# Altium PCB final.PcbDoc (part 1 of 2)
Units mil, origin at the board's own origin, x right, y up, seen from the top; angles counter-clockwise.
Board outline 8270 x 3385 mil, 2 copper layers (Top Layer, Bottom Layer); 240 components, 0 nets, 857 pads, 97 vias.
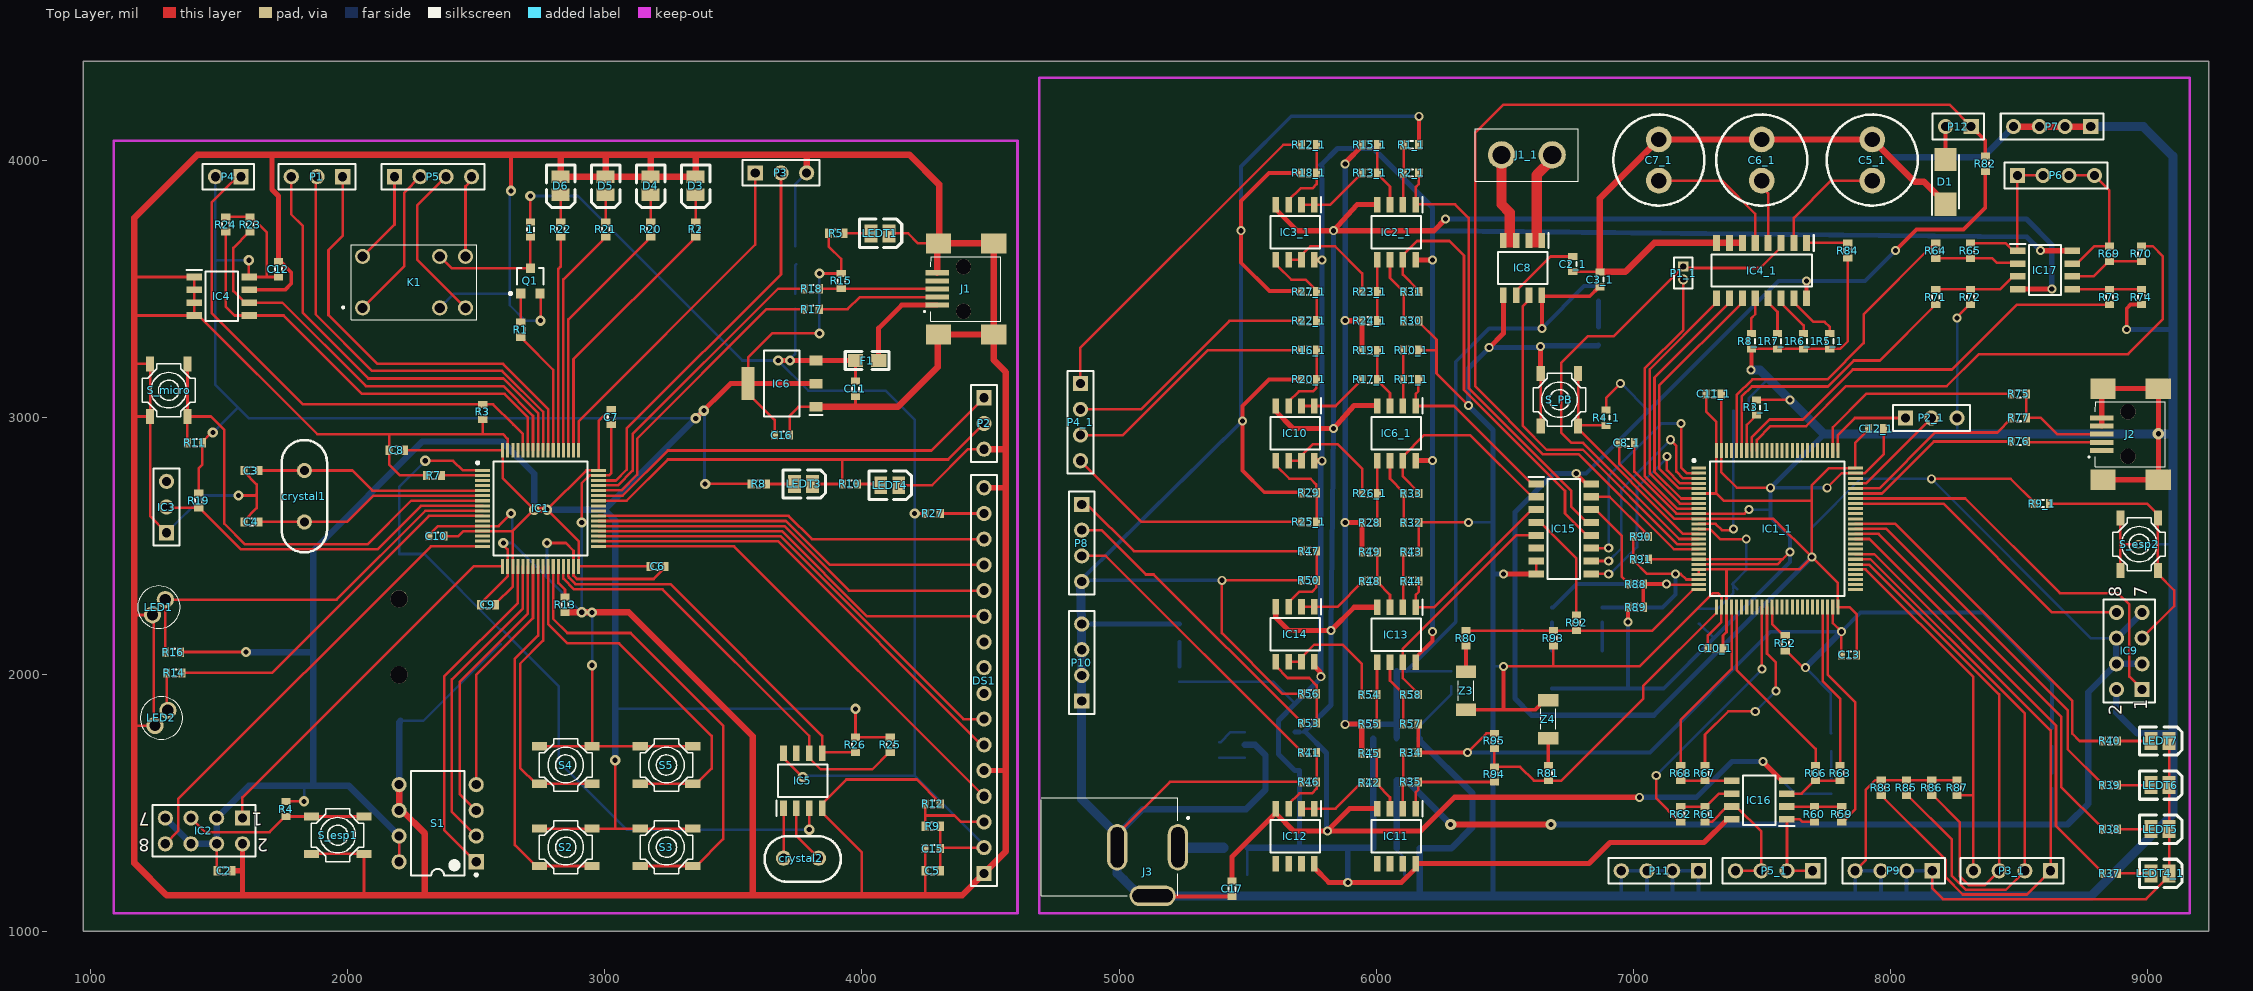
[diagram p0: Top Layer view]
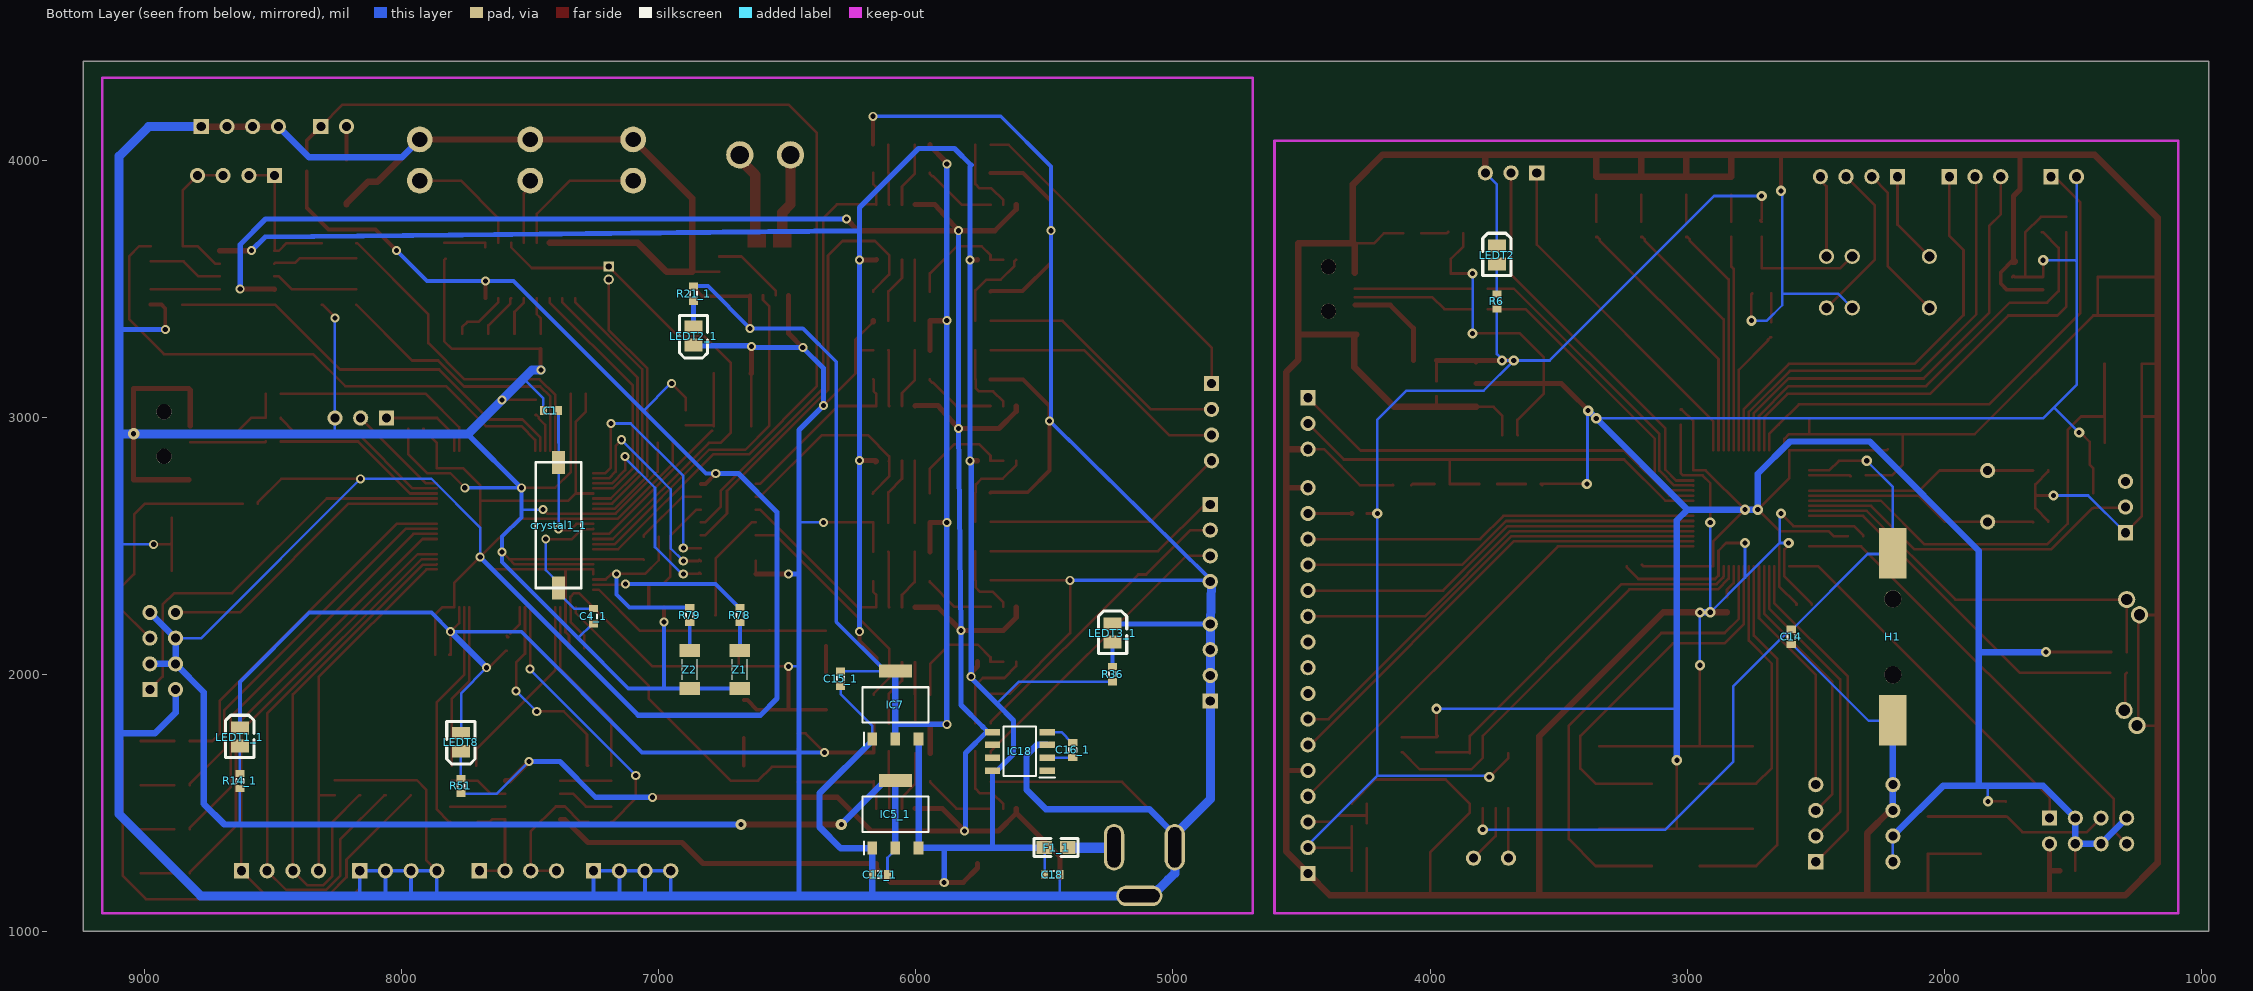
[diagram p1: Bottom Layer view, seen from below]

## Layer stack, top to bottom
Top Solder: solder mask 0.4, Solder Resist, Dk 3.5
Top Layer: signal copper 1.4
Dielectric 1: dielectric 12.6, FR-4, Dk 4.8
Bottom Layer: signal copper 1.4
Bottom Solder: solder mask 0.4, Solder Resist, Dk 3.5

## Board outline
970,1000 9240,1000 9240,4385 970,4385

## Design rules (kind name [scope] priority, off if disabled: settings)
AssemblyTestPointUsage [All] p1 off:
AssemblyTestpoint [All] p1 off: testpointundercomponent=TRUE minsize=40 maxsize=100 preferedsize=60 minholesize=0 maxholesize=40 preferedholesize=32 testpointgrid=1 usegrid=TRUE gridtolerance=0.01 allowsidetop=TRUE allowsidebottom=TRUE
Clearance [All] p1 off: gap=10 ignorepadtopadclearanceinfootprint=FALSE except(0: Arc-Hole Track-Hole SMDPad-Hole THPad-Hole Via-Hole Fill-Hole Poly-Hole Region-Hole Text-Hole)
ComponentClearance [All] p1 off: gap=10 collisioncheckmode=3 verticalgap=10 showdistances=FALSE
DiffPairsRouting [All] p1 off: maxlimit=10 minlimit=10 mostfreqgap=10 toplayer_minwidth=15 toplayer_maxwidth=15 toplayer_prefwidth=15 bottomlayer_minwidth=15 bottomlayer_maxwidth=15 bottomlayer_prefwidth=15 maxuncoupledlength=500
FabricationTestPointUsage [All] p1 off: valid=0 allowmultiple=FALSE
FabricationTestpoint [All] p1 off: side=3 testpointundercomponent=TRUE minsize=40 maxsize=100 preferedsize=60 minholesize=0 maxholesize=40 preferedholesize=32 testpointgrid=1 allowsidetop=TRUE allowsidebottom=TRUE usegrid=TRUE gridtolerance=0.01
FanoutControl Fanout_BGA [IsBGA] p1 off: bgadir=Out bgaviamode=Centered fanoutstyle=Auto fanoutdirection=Alternating viagrid=1 // Fanout_BGA (Default Rule)
FanoutControl Fanout_LCC [IsLCC] p2 off: bgadir=Out bgaviamode=Centered fanoutstyle=Auto fanoutdirection=Alternating viagrid=1 // Fanout_LCC (Default Rule)
FanoutControl Fanout_SOIC [IsSOIC] p3 off: bgadir=Out bgaviamode=Centered fanoutstyle=Auto fanoutdirection=Alternating viagrid=1 // Fanout_SOIC (Default Rule)
FanoutControl Fanout_Small [(CompPinCount < 5)] p4 off: bgadir=Out bgaviamode=Centered fanoutstyle=Auto fanoutdirection=OutThenIn viagrid=1 // Fanout_Small (Default Rule)
FanoutControl Fanout_Default [All] p5 off: bgadir=Out bgaviamode=Centered fanoutstyle=Auto fanoutdirection=Alternating viagrid=1 // Fanout_Default (Default Rule)
Height [All] p1 off: minheight=0 maxheight=1000 prefheight=500
HoleSize [All] p1 off: absolutevalues=TRUE maxlimit=100 minlimit=1 maxpercent=80.000 minpercent=20.000
HoleToHoleClearance [All] p1 off: gap=10 allowstackedmicrovias=TRUE
LayerPairs [All] p1 off: enforce=TRUE
MinimumSolderMaskSliver [All] p1 off: minsoldermaskwidth=10
NetAntennae [All] p1 off: netantennaetolerance=0
PasteMaskExpansion [All] p1 off: expansion=0
PlaneClearance [All] p1 off: clearance=20
PlaneConnect [All] p1 off: planeconnectstyle=Relief reliefexpansion=20 reliefentries=4 reliefconductorwidth=10 reliefairgap=10
PolygonConnect [All] p1 off: connectstyle=Relief reliefconductorwidth=10 reliefentries=4 polygonreliefangle="90 Angle" airgapwidth=10
RoutingCorners [All] p1 off: cornerstyle=45-Degree minsetback=100 maxsetback=100
RoutingLayers [All] p1 off: top layer_v5=TRUE bottom layer_v5=TRUE
RoutingPriority [All] p1 off: routingpriority=0
RoutingTopology [All] p1 off: topology=Shortest
RoutingVias [All] p1 off: holewidth=28 width=50 viastyle="Through Hole" minholewidth=28 minwidth=50 maxholewidth=28 maxwidth=50
ShortCircuit [All] p1 off: allowed=FALSE
SilkToSilkClearance [All] p1 off: silktosilkclearance=10
SilkToSolderMaskClearance [IsPad] p1 off: minsilkscreentomaskgap=10 clearancetoexposedcopper=TRUE
SolderMaskExpansion [All] p1 off: expansion=4
UnRoutedNet [All] p1 off:
UnpouredPolygon [All] p1 off:
Width [All] p1 off: maxlimit=10 minlimit=10 preferedwidth=10
1 further rules are at their usual default settings.

## Components (designator, comment, footprint, x,y, rotation, side; value= is the part's Value field where it differs from the comment)
1 "Res" J1-0603 2710,3730 r90 top value=150
C1 "C0603" J1-0603 7420,3025 r180 bottom value=20pF
C2 "C0603" J1-0603 1520,1235 r0 top value=0.1uF
C2_1 "Cap" J1-0603 6765,3595 r90 top value=1nF (schematic designator C2)
C3 "C0603" J1-0603 1625,2792.05 r0 top value=20pF
C3_1 "Cap" J1-0603 6870.6,3535 r270 top value=100nF (schematic designator C3)
C4 "C0603" J1-0603 1625,2592.05 r0 top value=20pF
C4_1 "C0603" J1-0603 7255,2225 r90 bottom value=20pF (schematic designator C4)
C5 "C0603" J1-0603 4275,1235 r180 top value=0.1uF
C5_1 "Cap" "Deep Cap gerdaloo" 7930,4079.84 r270 top value=4.7uF (schematic designator C5)
C6 "C0603" J1-0603 3205,2418.94 r0 top value=0.1uF
C6_1 "Cap" "Deep Cap gerdaloo" 7500,4079.84 r270 top value=47uF (schematic designator C6)
C7 "C0603" J1-0603 3025,3000 r270 top value=0.1uF
C7_1 "Cap" "Deep Cap gerdaloo" 7100,4079.84 r270 top value=470pF (schematic designator C7)
C8 "C0603" J1-0603 2190,2871 r180 top value=0.1uF
C8_1 "C0603" J1-0603 6975,2900 r0 top value=0.1uF (schematic designator C8)
C9 "C0603" J1-0603 2545,2270 r180 top value=0.1uF
C10 "C0603" J1-0603 2345,2536.73 r180 top value=0.1uF
C10_1 "C0603" J1-0603 7320,2100 r180 top value=0.1uF (schematic designator C10)
C11 "C0603" J1-0603 3974.92,3110 r270 top value=0.1uF
C11_1 "C0603" J1-0603 7313.29,3090 r0 top value=0.1uF (schematic designator C11)
C12 "C0603" J1-0603 1730,3575 r90 top value=0.1uF
C12_1 "C0603" J1-0603 7945,2955 r0 top value=0.1uF (schematic designator C12)
C13 "C0603" J1-0603 7840,2075 r180 top value=0.1uF
C14 "C0603" J1-0603 2595,2145 r270 bottom value=0.1uF
C14_1 "C0603" J1-0603 6140,1220 r0 bottom value=0.1uF (schematic designator C14)
C15 "C0603" J1-0603 4275,1321.67 r180 top value=0.1uF
C15_1 "C0603" J1-0603 6293.11,1982.36 r270 bottom value=0.1uF (schematic designator C15)
C16 "C0603" J1-0603 3688.84,2930 r0 top value=0.1uF
C16_1 "Cap" J1-0603 5390,1705 r270 bottom value=100nF (schematic designator C16)
C17 "Cap" J1-0603 5440,1165 r90 top value=100nF
C18 "C0603" J1-0603 5470,1220 r180 bottom value=0.1uF
crystal1 "clockProducerDeep" "deep crystal" 1825,2695 r180 top
crystal1_1 "clockProducerDeep" "smd CRYSTAL" 7301.42,2823.19 r0 bottom (schematic designator crystal1)
crystal2 "clockProducerDeep" "Deep Crystal small" 3830,1285 r90 top
D1 "1N4007" DIOM5327X242N 8215,3915 r90 top
D3 "LED3" 3518 3353.33,3900 r270 top
D4 "LED3" 3518 3178.33,3900 r270 top
D5 "LED3" 3518 3003.33,3900 r270 top
D6 "LED3" 3518 2828.33,3900 r270 top
DS1 "161A-BA-BC" HDR1X16 4475,1225 r90 top
F1 "Fuse 1" 0805 4020,3220 r0 top
F1_1 "Fuse 1" 0805 5455,1325 r0 bottom (schematic designator F1)
H1 "2894" 2894 2199.53,2155 r270 bottom
IC1 "STM32F103RCT6" QFP50P1200X1200X160-64N 2750,2645 r0 top
IC1_1 "STM32F103VCT6" QFP50P1600X1600X160-100N 7560,2565 r0 top (schematic designator IC1)
IC2 "ESP-01" HDR2X4 1590,1440 r180 top
IC2_1 "LM2904D" SOIC127P600X175-8N 6079.05,3719.53 r270 top (schematic designator IC2)
IC3 "LM335AZ_NOPB" HDR1X3 1295,2550 r90 top
IC3_1 "LM2904D" SOIC127P600X175-8N 5685,3719.53 r270 top (schematic designator IC3)
IC4 "AT24C04C-SSHM-T" SOIC127P600X175-8N 1510,3470 r0 top
IC4_1 "74HC4051D" SOIC127P600X175-16N 7500,3570 r270 top (schematic designator IC4)
IC5 "DS1307Z+" SOIC127P600X175-8N 3770,1585 r90 top
IC5_1 "AMS1117-3.3" SOT229P700X180-4N 6080,1455 r90 bottom (schematic designator IC5)
IC6 "AMS1117-3.3" SOT229P700X180-4N 3688.84,3130 r180 top
IC6_1 "LM2904D" SOIC127P600X175-8N 6079.05,2936.35 r270 top (schematic designator IC6)
IC7 "AMS1117-5" SOT229P700X180-4N 6080,1880 r90 bottom
IC8 "ACS712ELCTR-05B-T" SOIC127P600X175-8N 6570,3580 r270 top
IC9 "ESP-01" HDR2X4 8980,1940 r90 top
IC10 "LM2904D" SOIC127P600X175-8N 5685,2936.35 r270 top
IC11 "LM2904D" SOIC127P600X175-8N 6079.05,1370 r270 top
IC12 "LM2904D" SOIC127P600X175-8N 5685,1370 r270 top
IC13 "LM2904D" SOIC127P600X175-8N 6079.05,2153.18 r270 top
IC14 "LM2904D" SOIC127P600X175-8N 5685,2155 r270 top
IC15 "74HC4053D" SOIC127P600X175-16N 6730,2565 r0 top
IC16 "LM2904D" SOIC127P600X175-8N 7490,1510 r180 top
IC17 "LM2904D" SOIC127P600X175-8N 8602.2,3571.98 r0 top
IC18 "ICL7660ACBAZA" SOIC127P600X175-8N 5595.47,1699.53 r0 bottom
J1 "usb type B" 0474910001 4272.95,3435.39 r180 top
J1_1 "XT30PB" XT30PB 6685,4020 r270 top (schematic designator J1)
J2 "usb type B" 0474910001 8802.95,2870.39 r180 top
J3 "1613_20" 161320 5060,1295 r0 top
K1 "TR5V_M-S-Z" TR5VMSZ 2240,3525 r0 top
LED1 "OP505A" OP505A 1240,2230.94 r90 top
LED2 "OP505A" OP505A 1250,1800 r90 top
LEDT1 "" 3518 4070,3715 r0 top
LEDT1_1 "" 3518 8630,1755 r90 bottom (schematic designator LEDT1)
LEDT2 "" 3518 3740,3630 r90 bottom
LEDT2_1 "" 3518 6865,3315 r270 bottom (schematic designator LEDT2)
LEDT3 "" 3518 3773.21,2739.76 r0 top
LEDT3_1 "" 3518 5235,2160 r90 bottom (schematic designator LEDT3)
LEDT4 "" 3518 4108.21,2734.76 r0 top
LEDT4_1 "" 3518 9050,1225 r0 top (schematic designator LEDT4)
LEDT5 "" 3518 9050,1396.67 r0 top
LEDT6 "" 3518 9050,1568.33 r0 top
LEDT7 "" 3518 9050,1740 r0 top
LEDT8 "" 3518 7770,1735 r270 bottom
P1 "Header 3" HDR1X3 1980,3935 r180 top
P1_1 "MHDR1X2" MHDR1X2 7195,3585 r270 top (schematic designator P1)
P2 "Header 3" HDR1X3 4475,3075 r270 top
P2_1 "Header 3" HDR1X3 8060,2996.38 r0 top (schematic designator P2)
P3 "Header 3" HDR1X3 3585,3950 r0 top
P3_1 "Header 4" HDR1X4 8623.74,1235 r180 top (schematic designator P3)
P4 "Header 2" HDR1X2 1585,3935 r180 top
P4_1 "Header 4" HDR1X4 4850,3130 r270 top (schematic designator P4)
P5 "Header 4" HDR1X4 2181.67,3935 r0 top
P5_1 "Header 4" HDR1X4 7698.43,1235 r180 top (schematic designator P5)
P6 "Header 4" HDR1X4 8495,3940 r0 top
P7 "Header 4" HDR1X4 8780,4130 r180 top
P8 "Header 4" HDR1X4 4855,2660 r270 top
P9 "Header 4" HDR1X4 8163.74,1235 r180 top
P10 "Header 4" HDR1X4 4855,1895 r90 top
P11 "Header 4" HDR1X4 7253.74,1235 r180 top
P12 "Header 2" HDR1X2 8315,4130 r180 top
Q1 "2N2222" SOT-23 2710,3530 r0 top
R1 "Res" J1-0603 2672.6,3340 r90 top value=10K
R1_1 "Res1" J1-0603 6136.42,4059.34 r0 top value=1K (schematic designator R1)
R2 "Res1" j1-0603 3353.33,3730 r270 top value=220
R2_1 "Res1" J1-0603 6136.42,3950 r180 top value=1K (schematic designator R2)
R3 "Res1" J1-0603 2525,3020 r270 top value=100K
R3_1 "Res1" J1-0603 7480,3037.56 r90 top value=10K (schematic designator R3)
R4 "Res1" J1-0603 1760,1475 r90 top value=10K
R4_1 "Res1" J1-0603 6895,2997.5 r90 top value=10K (schematic designator R4)
R5 "Res1" j1-0603 3900,3715 r0 top value=220
R5_1 "Res1" J1-0603 7765,3295 r270 top value=1M (schematic designator R5)
R6 "Res1" j1-0603 3740,3450 r90 bottom value=220
R6_1 "Res1" J1-0603 7663.33,3295 r270 top value=100k (schematic designator R6)
R7 "Res1" J1-0603 2335,2772.95 r0 top value=10K
R7_1 "Res1" J1-0603 7561.67,3295 r270 top value=10K (schematic designator R7)
R8 "Res1" j1-0603 3598.21,2739.76 r0 top value=220
R8_1 "Res1" J1-0603 7460,3295 r270 top value=1K (schematic designator R8)
R9 "Res1" J1-0603 4275,1408.33 r0 top value=1K
R9_1 "Res1" J1-0603 8590,2663.43 r180 top value=10K (schematic designator R9)
R10 "Res1" j1-0603 3953.21,2739.76 r0 top value=220
R10_1 "Res1" J1-0603 6136.42,3260.58 r0 top value=1K (schematic designator R10)
R11 "Res1" J1-0603 1405,2900 r0 top value=10K
R11_1 "Res1" J1-0603 6136.42,3146.65 r180 top value=1K (schematic designator R11)
R12 "Res1" J1-0603 4275,1495 r180 top value=1K
R12_1 "Res1" J1-0603 5739.05,4059.34 r0 top value=1K (schematic designator R12)
R13 "Res1" J1-0603 2845,2270 r270 top value=100K
R13_1 "Res1" J1-0603 5975.47,3950 r0 top value=1K (schematic designator R13)
R14 "Res1" J1-0603 1325,2005 r180 top value=1k
R14_1 "Res1" j1-0603 8630,1584.53 r90 bottom value=220 (schematic designator R14)
R15 "Res1" J1-0603 3919.53,3529.53 r90 top value=1k
R15_1 "Res1" J1-0603 5975.47,4059.34 r0 top value=1K (schematic designator R15)
R16 "Res1" J1-0603 1320,2085 r180 top value=1k
R16_1 "Res1" J1-0603 5739.05,3260.58 r0 top value=1K (schematic designator R16)
R17 "Res1" J1-0603 3804.53,3419.53 r180 top value=22
R17_1 "Res1" J1-0603 5975.47,3146.65 r0 top value=1K (schematic designator R17)
R18 "Res1" J1-0603 3804.53,3499.13 r180 top value=22
R18_1 "Res1" J1-0603 5739.05,3950 r0 top value=1K (schematic designator R18)
R19 "Res1" J1-0603 1420,2675 r90 top value=1k
R19_1 "Res1" J1-0603 5975.47,3259.16 r0 top value=1K (schematic designator R19)
R20 "Res1" j1-0603 3178.33,3730 r90 top value=220
R20_1 "Res1" J1-0603 5739.05,3146.65 r0 top value=1K (schematic designator R20)
R21 "Res1" j1-0603 3003.33,3730 r90 top value=220
R21_1 "Res1" j1-0603 6865,3480 r270 bottom value=220 (schematic designator R21)
R22 "Res1" j1-0603 2828.33,3730 r90 top value=220
R22_1 "Res1" J1-0603 5739.05,3374.51 r0 top value=1K (schematic designator R22)
R23 "Res1" J1-0603 1620,3748.95 r270 top value=1k
R23_1 "Res1" J1-0603 5975.47,3488.43 r0 top value=1K (schematic designator R23)
R24 "Res1" J1-0603 1525,3748.95 r270 top value=1k
R24_1 "Res1" J1-0603 5975.47,3374.51 r0 top value=1K (schematic designator R24)
R25 "Res1" J1-0603 4110,1725 r270 top value=1k
R25_1 "Res1" J1-0603 5739.05,2592.06 r0 top value=1K (schematic designator R25)
R26 "Res1" J1-0603 3974.92,1725 r270 top value=1k
R26_1 "Res1" J1-0603 5975.47,2703.35 r0 top value=1K (schematic designator R26)
R27 "Res1" J1-0603 4275,2625 r0 top value=330
R27_1 "Res1" J1-0603 5739.05,3488.43 r0 top value=1K (schematic designator R27)
R28 "Res1" J1-0603 5975.47,2589.42 r0 top value=1K
R29 "Res1" J1-0603 5739.05,2705.62 r0 top value=1K
R30 "Res1" J1-0603 6136.42,3374.51 r0 top value=1K
R31 "Res1" J1-0603 6136.42,3488.43 r180 top value=1K
R32 "Res1" J1-0603 6136.42,2589.42 r0 top value=1K
R33 "Res1" J1-0603 6136.42,2703.35 r180 top value=1K
R34 "Res1" J1-0603 6134.53,1694.96 r0 top value=1K
R35 "Res1" J1-0603 6134.53,1580.67 r180 top value=1K
R36 "Res1" j1-0603 5235,2000 r90 bottom value=220
R37 "Res1" j1-0603 8855,1225 r0 top value=220
R38 "Res1" j1-0603 8855,1396.67 r0 top value=220
R39 "Res1" j1-0603 8855,1568.33 r0 top value=220
R40 "Res1" j1-0603 8855,1740 r0 top value=220
R41 "Res1" J1-0603 5739.05,1694.96 r0 top value=1K
R42 "Res1" J1-0603 5973.58,1578.39 r0 top value=1K
R43 "Res1" J1-0603 6136.42,2475.5 r0 top value=1K
R44 "Res1" J1-0603 6136.42,2361.57 r180 top value=1K
R45 "Res1" J1-0603 5973.58,1692.32 r0 top value=1K
R46 "Res1" J1-0603 5739.05,1580.67 r0 top value=1K
R47 "Res1" J1-0603 5739.05,2478.5 r0 top value=1K
R48 "Res1" J1-0603 5975.47,2361.57 r0 top value=1K
R49 "Res1" J1-0603 5975.47,2475.5 r0 top value=1K
R50 "Res1" J1-0603 5739.05,2364.94 r0 top value=1K
R51 "Res1" j1-0603 7770,1565 r90 bottom value=220
R52 "Res1" J1-0603 7591.89,2120 r270 top value=10K
R53 "Res1" J1-0603 5739.05,1809.25 r0 top value=1K
R54 "Res1" J1-0603 5973.58,1920.17 r0 top value=1K
R55 "Res1" J1-0603 5973.58,1806.25 r0 top value=1K
R56 "Res1" J1-0603 5739.05,1923.54 r0 top value=1K
R57 "Res1" J1-0603 6134.53,1806.5 r0 top value=1K
R58 "Res1" J1-0603 6134.53,1920.06 r180 top value=1K
R59 "Res1" J1-0603 7811.54,1455 r90 top value=1K
R60 "Res1" J1-0603 7705,1455 r90 top value=1K
R61 "Res1" J1-0603 7279.53,1455 r270 top value=1K
R62 "Res1" J1-0603 7185,1455 r270 top value=1K
R63 "Res1" J1-0603 7805,1615 r270 top value=1K
R64 "Res1" J1-0603 8177.2,3646.98 r270 top value=1K
R65 "Res1" J1-0603 8312.2,3646.98 r270 top value=1K
R66 "Res1" J1-0603 7710,1615 r270 top value=1K
R67 "Res1" J1-0603 7279.53,1615 r90 top value=1K
R68 "Res1" J1-0603 7185,1615 r270 top value=1K
R69 "Res1" J1-0603 8852.91,3635 r90 top value=1K
R70 "Res1" J1-0603 8977.2,3635 r90 top value=1K
R71 "Res1" J1-0603 8177.2,3466.98 r90 top value=1K
R72 "Res1" J1-0603 8312.2,3466.98 r90 top value=1K
R73 "Res1" J1-0603 8853.15,3466.98 r270 top value=1K
R74 "Res1" J1-0603 8977.2,3466.98 r90 top value=1K
R75 "Res1" J1-0603 8500,3090 r180 top value=1.5k
R76 "Res1" J1-0603 8500,2905 r180 top value=22
R77 "Res1" J1-0603 8500,2997.5 r180 top value=22
R78 "Res1" J1-0603 6685,2230 r90 bottom value=1K
R79 "Res1" J1-0603 6880,2230 r90 bottom value=1K
R80 "Res1" J1-0603 6350,2140 r90 top value=1K
R81 "Res1" J1-0603 6670,1615 r270 top value=1K
R82 "Res1" J1-0603 8370,3985 r270 top value=1K
R83 "Res1" J1-0603 7965,1558.39 r270 top value=330
R84 "Res1" J1-0603 7835,3647.76 r90 top value=330
R85 "Res1" J1-0603 8063.33,1558.39 r270 top value=330
R86 "Res1" J1-0603 8161.67,1558.39 r270 top value=330
R87 "Res1" J1-0603 8260,1558.39 r270 top value=330
R88 "Res1" J1-0603 7010,2350 r0 top value=1K
R89 "Res1" J1-0603 7010,2260 r180 top value=1K
R90 "Res1" J1-0603 7030,2535 r180 top value=1K
R91 "Res1" J1-0603 7030,2446.89 r0 top value=1K
R92 "Res1" J1-0603 6780,2200 r270 top value=1K
R93 "Res1" J1-0603 6690,2140 r270 top value=1K
R94 "Res1" J1-0603 6460,1610 r90 top value=1K
R95 "Res1" J1-0603 6460,1740 r90 top value=1K
S1 "SW-DIP4" DIP-8 2349.53,1420 r180 top
S2 "SW-PB" button 2848.33,1330 r180 top
S3 "SW-PB" button 3240.17,1330 r180 top
S4 "SW-PB" button 2848.33,1650 r180 top
S5 "SW-PB" button 3240.17,1650 r180 top
S_esp1 "SW-PB" button 1960,1370 r0 top